# Allegro board ZDRK-36-DE3-A02-20190729.brd (continued)
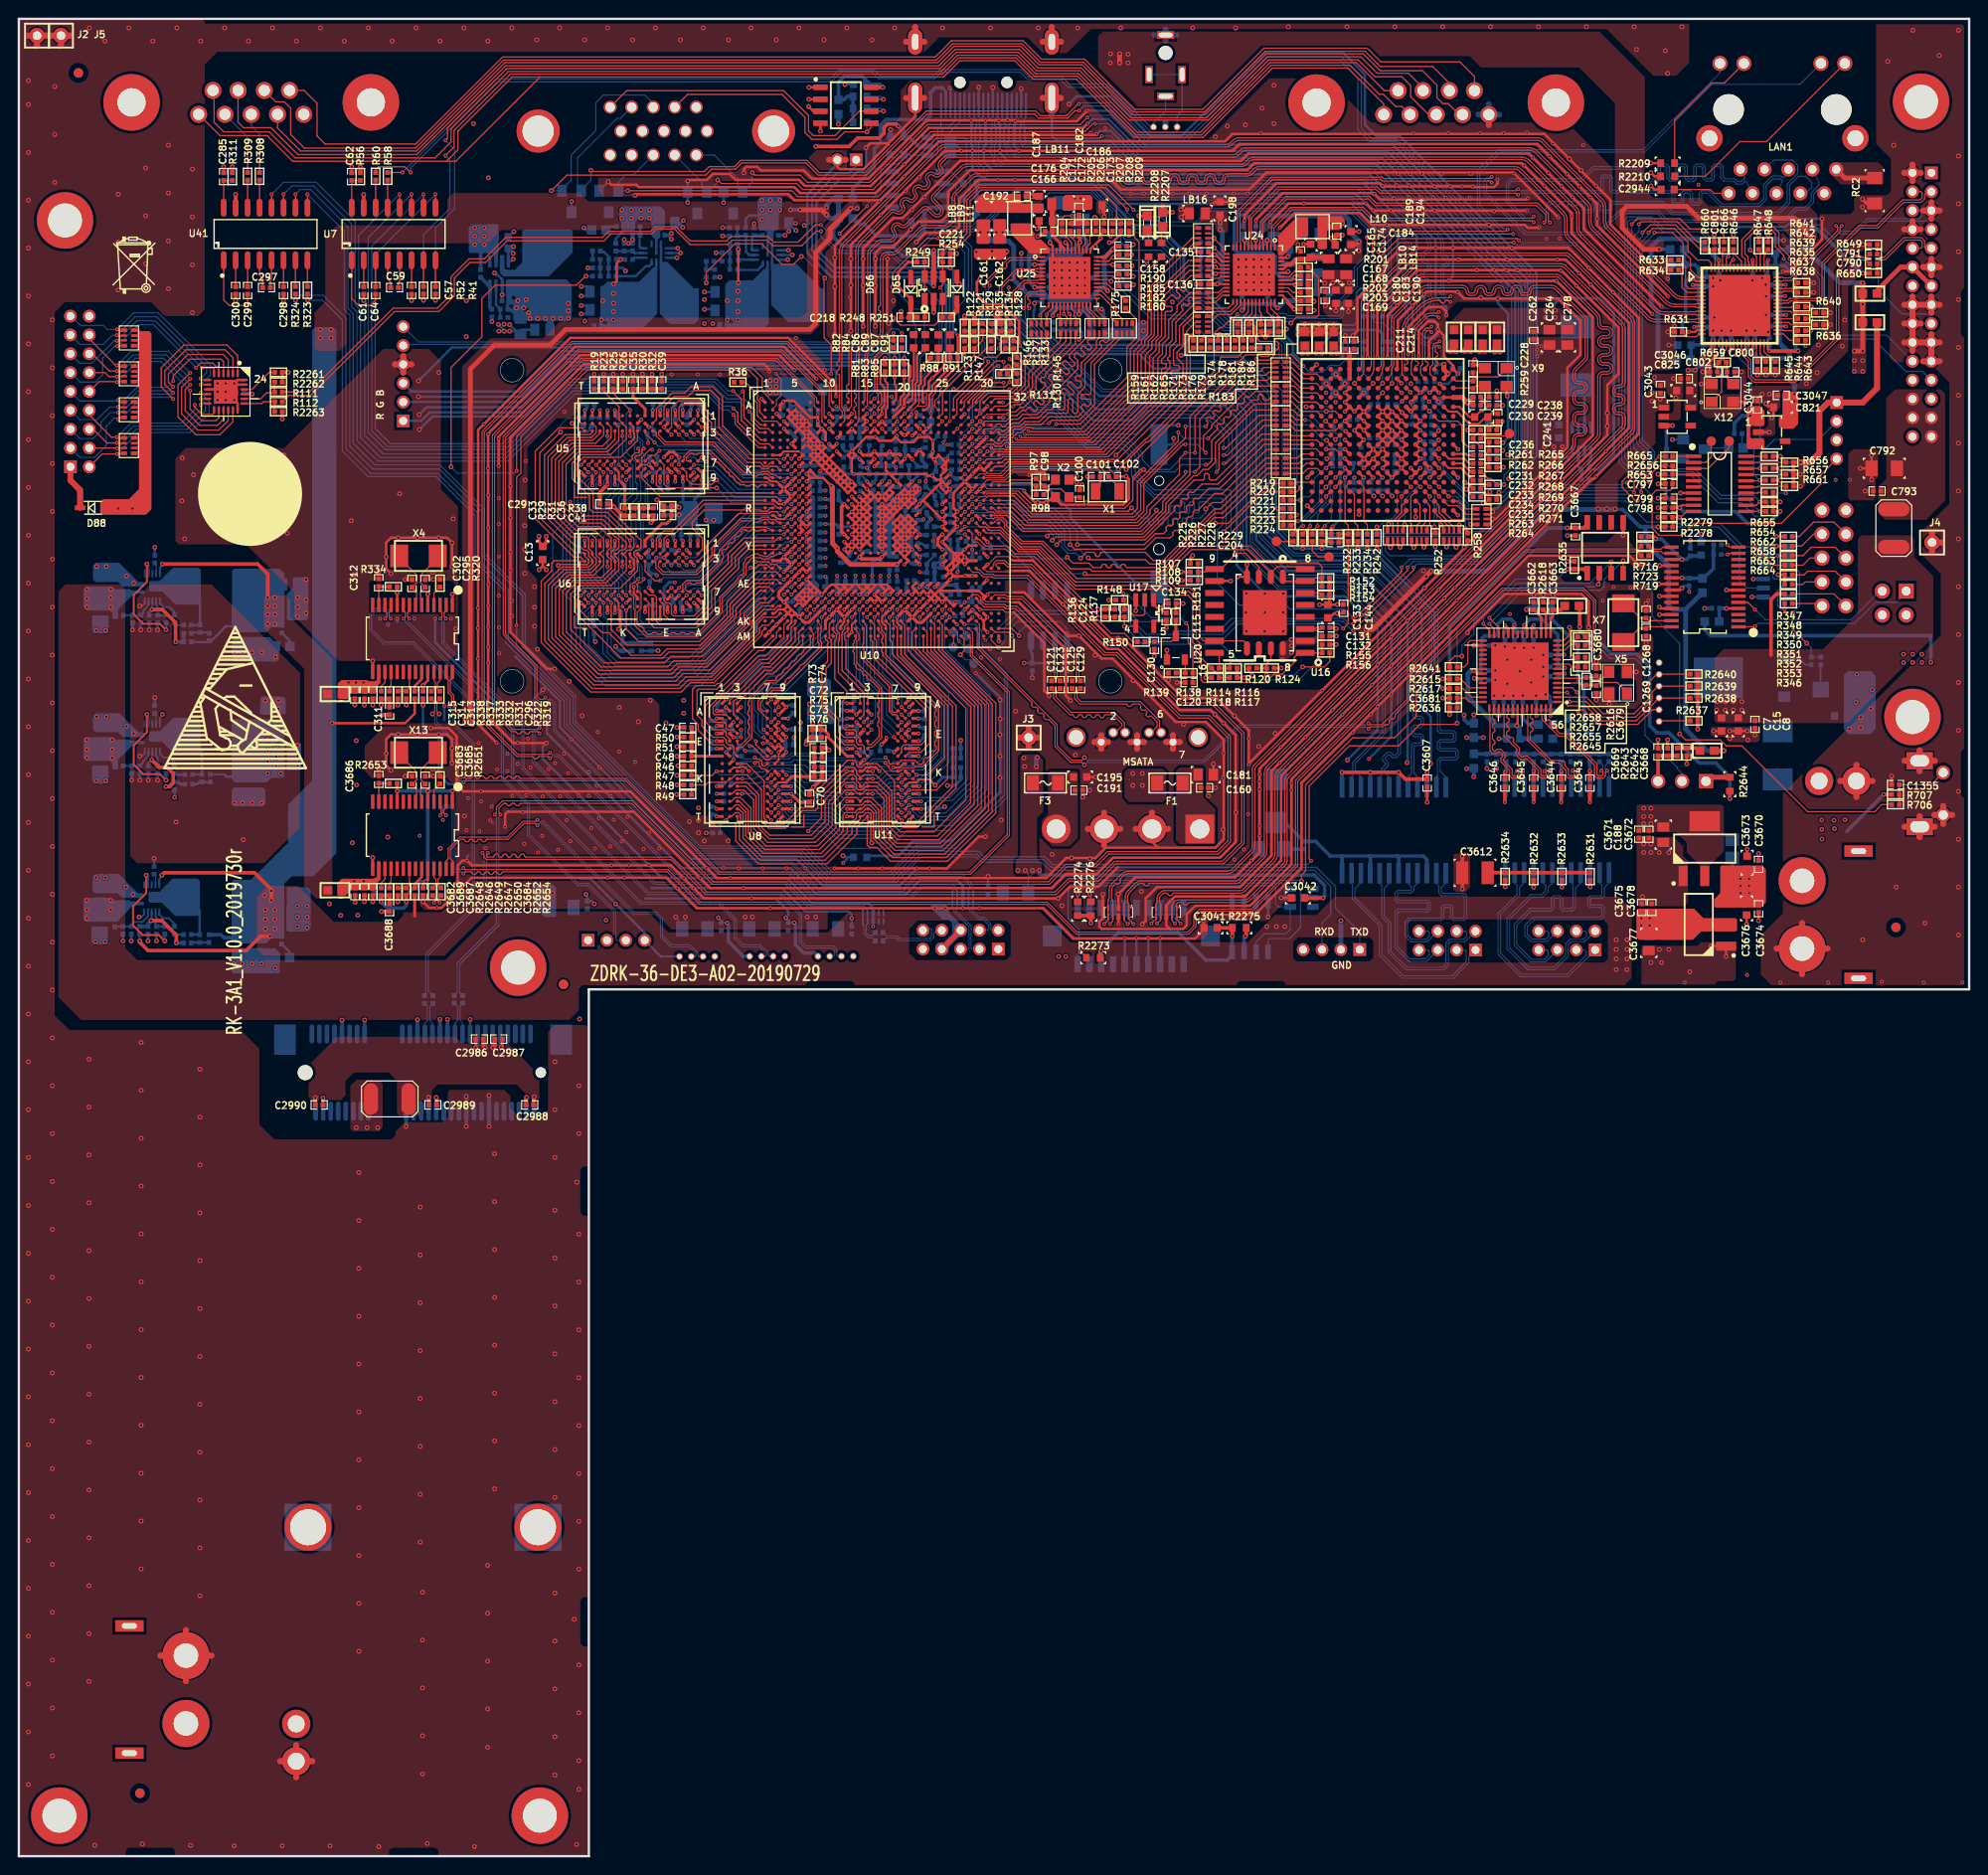
[diagram p0: board, top side]
## Placement (name value [footprint] x y rotation side) (continued)
R2209  499R  [SR0603]  175.01 179.68 0 top
R2210  499R  [SR0603]  175.01 178.28 0 top
R2211  1K  [SR0603]  93.22 180.57 180 bottom
R2212  4.7K  [SR0603]  89.28 184 0 bottom
R2261  10K  [SR0402]  27.56 157.48 180 top
R2262  10K  [SR0402]  27.56 156.44 180 top
R2263  10K  [SR0402]  27.56 153.31 180 top
R2273  1K  [SR0603]  114.05 95.35 180 top
R2274  4.7K  [SR0603]  112.4 100.56 90 top
R2275  4.7K  [SR0603]  129.54 98.53 0 top
R2276  4.7K  [SR0603]  113.79 100.56 90 top
R2277  0R  [SR0402]  141.78 160.32 270 bottom
R2278  4.7K  [SR0402]  175.13 141.07 0 top
R2279  10K  [SR0402]  175.13 142.09 180 top
R2561  510R  [SR0402]  182.5 150.98 0 bottom
R2562  1K  [SR0402]  174.88 148.95 270 bottom
R2563  1M  [SR0402]  19.23 130.28 270 bottom
R2564  0R  [SR0402]  14.43 137.64 90 bottom
R2565  49.9K  [SR0402]  17.91 128.88 180 bottom
R2566  10.7K  [SR0402]  13.84 131.29 270 bottom
R2567  1M  [SR0402]  12.07 131.29 270 bottom
R2568  470K  [SR0402]  10.67 131.67 0 bottom
R2569  4.7R  [SR0402]  16.51 131.29 270 bottom
R2570  100K  [SR0402]  15.62 131.29 90 bottom
R2571  499R  [SR0402]  17.91 129.77 180 bottom
R2572  499R  [SR0402]  27.91 130.23 270 bottom
R2615  0R  [SR0402]  152.27 124.94 0 top
R2616  1M  [SR0402]  166.37 124.69 90 top
R2617  8.06K  [SR0402]  152.27 123.93 180 top
R2618  12K  [SR0402]  161.8 132.69 90 top
R2619  49.9R  [SR0402]  158.88 116.56 90 bottom
R2620  49.9R  [SR0402]  159.77 116.56 90 bottom
R2621  49.9R  [SR0402]  161.8 116.56 90 bottom
R2622  49.9R  [SR0402]  162.69 116.56 90 bottom
R2623  49.9R  [SR0402]  164.72 116.56 90 bottom
R2624  49.9R  [SR0402]  165.74 116.56 90 bottom
R2625  49.9R  [SR0402]  167.77 116.56 90 bottom
R2626  49.9R  [SR0402]  168.78 116.56 90 bottom
R2627  0R  [SR0402]  166.75 116.56 90 bottom
R2628  0R  [SR0402]  163.7 116.56 90 bottom
R2629  0R  [SR0402]  160.78 116.56 90 bottom
R2630  0R  [SR0402]  157.86 116.56 90 bottom
R2631  75R  [SR0402]  166.78 103.96 270 top
R2632  75R  [SR0402]  160.78 103.96 270 top
R2633  75R  [SR0402]  163.78 103.98 270 top
R2634  75R  [SR0402]  157.76 103.98 270 top
R2635  10K  [SR0402]  165.1 137.01 270 top
R2636  10K  [SR0402]  152.27 121.89 180 top
R2637  10K  [SR0402]  177.8 120.5 0 top
R2638  10K  [SR0402]  177.8 122.91 0 top
R2639  10K  [SR0402]  177.8 124.18 0 top
R2640  10K  [SR0402]  177.8 125.45 0 top
R2641  0R/NC  [SR0402]  152.27 126.21 180 top
R2642  39..2K  [SR0402]  176.02 117.2 90 top
R2643  61.9K  [SR0402]  175.01 117.2 270 top
R2644  825R  [SR0603]  181.61 113.77 270 top
R2645  0R  [SR0402]  165.86 126.21 0 top
R2646  100K  [SR0402]  39.34 102.36 90 top
R2647  10K  [SR0402]  41.12 102.36 270 top
R2648  100K  [SR0402]  38.46 102.36 90 top
R2649  47K  [SR0402]  40.23 102.36 270 top
R2650  NC  [SR0402]  42.01 102.36 90 top
R2651  499R  [SR0402]  44.7 114.22 90 top
R2652  0R  [SR0402]  43.92 102.36 90 top
R2653  10K  [SR0402]  39.75 113.84 180 top
R2654  0R  [SR0402]  44.81 102.36 90 top
R2655  NC  [SR0402]  165.86 127.23 0 top
R2656  NC  [SR0402]  175.13 147.55 0 top
R2657  0R  [SR0402]  165.86 128.5 180 top
R2658  0R  [SR0402]  165.86 129.39 180 top
RC2  0R/1206  [SR1206]  196.98 176.76 270 top
RN9  8P4R_0402_4K7  [RPAK8-10X25-28V]  148.63 140.18 180 top
RN10  8P4R_0402_4K7  [RPAK8-10X25-28V]  146.1 140.18 180 top
RN11  8P4R_0402_4K7  [RPAK8-10X25-28V]  155.24 142.16 270 top
RN12  8P4R_0402_4K7  [RPAK8-10X25-28V]  152.07 140.18 180 top
RN13  8P4R_0402_33R  [RPAK8-10X25-28V]  125.7 165.12 270 top
RN14  8P4R_0402_33R  [RPAK8-10X25-28V]  125.68 162.6 270 top
RN17  8P4R_0402_33R  [RPAK8-10X25-28V]  114.43 162.15 0 top
RN18  8P4R_0402_33R  [RPAK8-10X25-28V]  117.36 162.15 0 top
RN19  8P4R_0402_33R  [RPAK8-10X25-28V]  133.93 157.74 90 top
RN20  8P4R_0402_33R  [RPAK8-10X25-28V]  111.39 162.15 0 top
RN21  8P4R_0402_33R  [RPAK8-10X25-28V]  125.7 171.98 270 top
RN22  8P4R_0402_33R  [RPAK8-10X25-28V]  125.7 168.55 270 top
RN75  8P4R_0402_33R  [RPAK8-10X25-28V]  133.93 152.66 90 top
RN76  8P4R_0402_33R  [RPAK8-10X25-28V]  133.96 147.56 90 top
RN77  8P4R_0402_33R  [RPAK8-10X25-28V]  133.93 155.2 90 top
RN78  8P4R_0402_33R  [RPAK8-10X25-28V]  133.96 150.1 90 top
RN79  8P4R_0402_33R  [RPAK8-10X25-28V]  108.28 162.13 0 top
RN80  8P4R_0402_4K7  [RPAK8-10X25-28V]  11.68 153.51 270 top
RN81  8P4R_0402_4K7  [RPAK8-10X25-28V]  11.68 161.13 270 top
RN82  8P4R_0402_4K7  [RPAK8-10X25-28V]  11.68 149.7 270 top
RN83  8P4R_0402_4K7  [RPAK8-10X25-28V]  11.68 157.32 270 top
SW1  SW6X6X4.2_S_90  [SW_90]  202.75 112.76 0 bottom
T1  G2401CE  [STFM24-40-280]  163.27 108.94 0 bottom
T3  G2401CE  [STFM24-40-280]  145.95 108.89 0 bottom
TP2  NC  [TP24-SMD]  102.11 153.26 180 bottom
TP3  NC  [TP24-SMD]  104.47 152.68 180 bottom
TP4  NC  [TP24-SMD]  102.11 152.22 180 bottom
TP5  NC  [TP24-SMD]  103.33 149.1 180 bottom
TP7  NC  [TP24-SMD]  102.03 149.1 180 bottom
TP8  NC  [TP24-SMD]  101.27 132.16 180 bottom
TP9  NC  [TP24-SMD]  101.22 148.29 180 bottom
TP24  NC  [MARK]  139.78 157.3 0 bottom
TP25  NC  [MARK]  142.77 155.35 0 bottom
TP26  NC  [MARK]  149.63 147.19 180 bottom
TP27  NC  [MARK]  138.76 156.31 0 bottom
TP28  NC  [MARK]  158.22 150.98 0 top
TP29  NC  [MARK]  140.74 156.29 180 bottom
TP30  NC  [MARK]  139.67 155.24 0 bottom
TP31  NC  [MARK]  156.06 151.92 180 bottom
TP32  NC  [MARK]  150.77 154.43 180 bottom
TP46  NC  [MARK]  142.77 165.58 180 bottom
TP47  NC  [MARK]  139.06 137.9 180 top
TP48  NC  [MARK]  133.48 139.55 0 top
TP62  NC  [MARK]  101.35 126.59 180 bottom
TP63  NC  [MARK]  100.84 128.12 180 bottom
TP64  NC  [MARK]  99.16 128.32 180 bottom
TP65  NC  [MARK]  99.19 129.9 180 bottom
TP66  NC  [MARK]  100.56 129.51 180 bottom
TP68  NC  [MARK]  179.63 150.16 0 top
TP69  NC  [MARK]  181.53 150.19 0 top
U1  LAN7500  [QFN57C_1H10]  159.33 125.76 180 top
U2  MP8765GQ  [QFN16-8765]  14.17 118.72 0 bottom
U3  MP2143  [TSOT23-8]  50.97 167.97 0 bottom
U4  MP2145  [QFN12-050-0302A]  67.65 170.15 90 bottom
U5  H5TQ4G63FFR-PBC  [BGA96-32-1609M]  66.07 149.66 180 top
U6  H5TQ4G63FFR-PBC  [BGA96-32-1609M]  66.07 135.82 180 top
U7  SP3232EEN  [SOP16]  40.41 171.91 90 top
U8  H5TQ4G63FFR-PBC  [BGA96-32-1609M]  77.86 116.35 270 top
U9  MP2145  [QFN12-050-0302A]  79.46 169.94 90 bottom
U10  HI3536V100_PWR  [BGA735-32-3232]  91.61 141.89 270 top
U11  H5TQ4G63FFR-PBC  [BGA96-32-1609M]  91.7 116.35 270 top
U12  NC  [SO8]  109.35 131.67 270 bottom
U13  MOLEX-MINI-PCIE-CON_H4mm  [MINIPCIE-HT]  42.9 83.16 0 bottom
U16  MX25L25635EMI-10G  [SOP16-50-300A]  131.72 132.16 90 top
U17  SN74LVC1G125Q-Q1  [SOT23-5B]  119.51 131.93 180 top
U18  NC  [WSON8-MX25L12835ZN]  132.26 131.98 180 top
U20  ADM809  [SOT23B]  122.81 128.24 0 top
U24  RTL8211E-VB  [MLF48A-040-0606L]  131.09 167.84 180 top
U25  RTL8211E-VB  [MLF48A-040-0606L]  111.53 167.51 270 top
U27  AT24C04-VGA  [SOP8]  87.78 185.83 0 top
U32  ADV7842KBCZ-5  [BGA256]  144.75 150.32 180 top
U33  AZC199-04S  [SOT23-6L]  97.1 166.47 0 top
U38  MP2143  [TSOT23-8]  165.86 150.34 0 bottom
U41  SP3232EEN  [SOP16]  26.82 171.91 90 top
U43  GL850G-HH  [SOP28]  41.78 129.24 180 top
U44  PL2303HX  [SOP28]  178.97 134.7 90 top
U45  AZC199-04S  [SOT23-6L]  186.56 138.02 90 bottom
U46  SN74LVC1G125Q-Q1  [SOT23-5B]  186.56 134.59 90 bottom
U58  AT24C04-HDMI  [SOP8]  95.38 176.89 0 bottom
U61  BL1117-1.2V  [SOT-223]  178.94 106.93 90 top
U62  RCLAMP0524  [SLP2710P8]  102.62 182.73 180 bottom
U63  RCLAMP0524  [SLP2710P8]  105.66 182.73 180 bottom
U66  LT9721  [LQFN65_0_4]  182.64 164.57 270 top
U75  CLAMP0504DT  [SOT23-6L]  97.66 181.46 270 bottom
U103  CAT9555  [QFN24G]  21.97 155.42 180 top
U105  RCLAMP0524  [SLP2710P8]  100.2 101.7 0 bottom
U106  RCLAMP0524  [SLP2710P8]  90.68 99.67 0 bottom
U107  AT24C04-HDMI  [SOP8]  130.68 98.65 270 bottom
U108  CLAMP0504DT  [SOT23-6L]  136.14 101.7 90 bottom
U109  RCLAMP0524  [SLP2710P8]  121.79 100.18 180 top
U110  RCLAMP0524  [SLP2710P8]  116.71 100.18 180 top
U126  MP8765GQ  [QFN16-8765]  14.1 101.65 0 bottom
U1489  RT9013-18GB  [SOT23-5]  176 152.73 270 top
U1490  RT9013-18GB  [SOT23-5]  186.03 151.08 270 top
U1492  STM8S003F3  [TSSOP20]  180.54 145.64 0 top
U1493  MP8765GQ  [QFN16-8765]  14.17 134.67 0 bottom
U1494  93AA66A-I/SN  [SOP8]  168.38 138.86 90 top
U1495  TLV1117LV25DCYR  [SOT-223]  178.31 98.88 180 top
U1496  GL850G-HH  [SOP28]  41.78 108.36 180 top
X1  CY_3215_32.768K  [HSX2-0302]  115.53 144.86 180 top
X2  CY_3225_24M  [HSX4-0302B]  110.74 145.16 270 top
X4  CY_5032_12M  [5032]  42.42 138 270 top
X5  3225_25M  [XT3225]  169.75 124.54 90 top
X7  12M  [5032]  170.31 130.91 0 top
X9  CY_3225_28.63636M  [XT3225]  156.76 156.97 180 top
X12  25MHZ  [XT3225]  180.83 155.3 0 top
X13  CY_5032_12M  [5032]  42.42 117.12 270 top

## Library data of the parts
BT1 = BAT_SOCK-2032_0
C3 C24 C25 C57 C59 C61 C62 C64 C80 C160 C181 C188 C191 C195 C204 C211 C214 C218 C220-C222 C229-C236 C239 C241 C266 C267 C285 C296-C300 C311-C315 C319-C349 C790-C793 C797-C799 C801 C803-C827 C1319 C1355 C2318 C2378 C2807 C2808 C2879 C2880 C2906 C2907 C2944 C2991 C3029-C3031 C3040-C3047 C3643-C3682 C3684 C3686-C3689 = CAP_NP
C4 C5 C7-C9 C11 C14 C15 C17 C18 C20 C26 C27 C30-C32 C34 C37 C40 C43 C44 C49-C53 C55 C56 C58 C60 C63 C65-C69 C71 C87 C91 C97 C135 C262 C264 C278 C279 C634-C646 C2986-C2990 C3048-C3060 = C_3
C13 C86 C89 C98 C100 C156 C157 C161 C162 C174 C176 C183 C184 C186 C187 C190 C193 C194 C196 C199 C360 C368 C473 C505 = C_3: signal model: DEFAULT_CAPACITOR_1e+07pF_2_1
C29 C70 C137 C139 C140 C143 C148 C152 C158 C171-C173 C192 C350 C361 C373 C374 C381 C382 C387 C395 C398 C443 C444 C481 C489 C494 C496 C500 = C_3: signal model: DEFAULT_CAPACITOR_100000pF_1_2
C33 C35 C41 C353 C358 C359 C365 C367 C386 C396 C397 C401 C405 C412 C418 C425 C428 C432 C438 C445 C446 C449 C450 C458 C459 C461 C471 C490 C492 C501 C503 = C_3: signal model: DEFAULT_CAPACITOR_1e+06pF_1_2
C36 C39 C47 C72 C102 C115 C124 C130 C132 C136 C142 C146 C151 C155 C165 C167-C169 C180 C189 C351 C352 C354 C356 C357 C362 C363 C366 C369 C371 C375 C376 C378 C380 C383 C389 C390 C392-C394 C399 C400 C407-C411 C413 C414 C416 C417 C420-C422 C424 C426 C427 C429-C431 C433-C437 C439-C441 C447 C448 C451-C457 C460 C462 C464 C465 C467-C470 C472 C475 C476 C478-C480 C482 C484 C485 C487 C488 C491 C495 C498 C499 C502 C504 = C_3: signal model: DEFAULT_CAPACITOR_22pF_1_2
C48 C73 C74 C134 C385 C423 = C_3: signal model: DEFAULT_CAPACITOR_4.7e+07pF_2_1
C101 C131 C133 C144 C166 C182 C372 C419 C466 C477 C483 = C_3: signal model: DEFAULT_CAPACITOR_1e+06pF_2_1
C103-C106 C228 C238 C295 C302 C800 C802 C1268 C1269 C3683 C3685 RC2 = C-0603
C120 = C_3: signal model: DEFAULT_CAPACITOR_1000pF_1_2
C121 C123 C125 C129 = CAP_NP: signal model: CAP_NP_SC0402_10NF_10nF
C198 = C_3: signal model: DEFAULT_CAPACITOR_1e+07pF_1_2
C355 C370 C406 C415 C463 = C_3: signal model: DEFAULT_CAPACITOR_2.2e+07pF_2_1
C364 C388 C391 = C_3: signal model: DEFAULT_CAPACITOR_4.7e+06pF_1_2
C377 C379 = C_3: signal model: DEFAULT_CAPACITOR_2.2e+08pF_2_1
C384 = C_1: signal model: DEFAULT_CAPACITOR_22pF_1_2
C442 = C_3: signal model: DEFAULT_CAPACITOR_5.6e+015pF_1_2
C474 C486 = C_3: signal model: DEFAULT_CAPACITOR_470000pF_1_2
C493 C497 = C_3: signal model: DEFAULT_CAPACITOR_100000pF_2_1
C3607 C3608 = C_0
C3612 = 1000pF/-20+80%/2KV/X7R/1808
CN3 = VGAD7M_0
CON1 = SATA-HOST_7P__SMD_0
D2 D104 = DZ3_0
D23-D26 = D2-3_D
D65 D66 D88 = D_A
D71 D87 D89-D91 = LED_1: Tolerance: TOL; User Part Number: PARTNO
DXF J136 = CON6
F1 F3 F8 F11 F22-F25 F39 = FS-A_0
F5 = FS-A
ID1-ID6 = ID-BOARD
J2-J5 = SIP1
J6 = 1x6
J22 J23 = DB9
J49 = DB19S4_1
J70 = HEADER 4
J94 J125 J126 J134 J135 = CON2
J108 = CON10A
J111 = PJ-209
J115 = MJ8-SL_5
J116 = CON4X1X254MM
J123 = CON3X1X254MM
J124 = 4 HEADER
J127 = CONN RCPT 9x2
J128 = CONN PCB 5x2
J130 = CONN PCB 10x2
J131 J133 = CONN PLUG 4x2
JE1 = FPC_Base_1
JP1 = 1x3T: User Part Number: HAMP; Tolerance: #TOL
JU1-JU5 = CON4
L1 L2 L14 L16 L49 = L
L4 L5 = L_E
L10 L11 = L: signal model: DEFAULT_INDUCTOR_2200nH_2_1
LB6-LB11 LB14-LB20 LB22-LB25 LB31-LB52 LB70 LB126-LB130 LB132-LB144 = LB
LED3 = LED0603: Tolerance: TOL; User Part Number: PARTNO
Q2 = PMOS-DPAK
Q20 = SI2302_0
R2 R4 R8 R11 R14 R16 R17 R21 R24 R33 R34 R36 R37 R40 R42-R44 R53-R55 R57 R59 R65-R68 R70 R71 R77 R78 R95 R96 R109 R118 R120 R121 R137 R148 R165 R183 R209 R389 R391 R398 R461-R463 R480-R485 R2563-R2571 = R
R12 R13 R20 R111 R112 R306 R797 = R_1
R19 R23 R25 R26 R46-R49 R138 = R: signal model: DEFAULT_RESISTOR_100OHM_1_2
R27 R28 R41 R52 R56 R58 R60 R88 R91 R158 R160 R229 R248 R249 R251 R254 R261 R263 R266 R269 R304 R305 R308 R309 R311 R320 R323 R324 R346-R353 R393 R394 R631 R633-R650 R653-R658 R661-R666 R706 R707 R716 R718 R719 R722 R723 R1119-R1121 R2207-R2212 R2261-R2263 R2273-R2276 R2278 R2279 R2561 R2562 R2615-R2645 R2651 R2655 = Resistor
R29-R32 R38 R50 R51 R73 R75 R76 R110 R130 R131 R133-R136 R151 R159 R384 R385 R387 R390 R403 R408 R409 R411 = R: signal model: DEFAULT_RESISTOR_1000OHM_1_2
R39 R45 R220-R228 R232-R238 R241-R244 R246 R247 R252 R258 R259 R262 R264 R265 R267 R268 R270 R271 R319 R322 R331-R334 R337 R338 R659 R660 R2277 R2572 R2646-R2650 R2652-R2654 R2656-R2658 = R-0603
R81 R83 R85 R396 = R: signal model: DEFAULT_RESISTOR_75OHM_1_2
R82 R84 R161 R207 = R: signal model: SR0402_22
R97 = R: signal model: DEFAULT_RESISTOR_1e+06OHM_1_2
R98 = R: signal model: DEFAULT_RESISTOR_10OHM_1_2
R107 R116 R122 R124 R152 R171 R178-R182 R184-R186 R190 R208 R370-R379 R383 R388 R392 = R: signal model: SR0402_4.7K
R108 R117 R153-R155 R382 = R: signal model: DEFAULT_RESISTOR_4700OHM_1_2
R113 R127-R129 R162 R386 R407 R414 = R: signal model: DEFAULT_RESISTOR_10000OHM_1_2
R114 = R: signal model: DEFAULT_RESISTOR_33OHM_1_2
R123 R146 R147 = R: signal model: R_SR0402_0R_0R
R139 = R: signal model: DEFAULT_RESISTOR_100000OHM_1_2
R145 R150 R156 R173-R175 R201 R203 R204 R206 = R: signal model: DEFAULT_RESISTOR_0.001OHM_1_2
R176 R219 = R-0603: signal model: R-0603_SR0402_33R_33R
R202 R205 = R: signal model: DEFAULT_RESISTOR_2490OHM_2_1
R380 R381 R401 R402 = R: signal model: DEFAULT_RESISTOR_270OHM_2_1
R395 R400 R404 R406 R412 R413 = R: signal model: DEFAULT_RESISTOR_240OHM_1_2
R397 = R: signal model: DEFAULT_RESISTOR_12000OHM_1_2
R399 = R: signal model: DEFAULT_RESISTOR_3000OHM_1_2
R405 R410 = R: signal model: DEFAULT_RESISTOR_69.8OHM_1_2
RN9-RN12 RN80-RN83 = RESAR_IS_4/SM: Tolerance: TOL; User Part Number: PART#
RN13 RN14 RN17-RN22 RN75-RN79 = RESAR_IS_4/SM: Tolerance: TOL; User Part Number: PART#; signal model: RESAR_IS_4/SM_RPAK8-10X25-28V_1_8P4R_0402_33R
SW1 = MSW4_1
T1 T3 = G2401CE_0
TP2-TP5 TP7-TP9 = TESTPOINT
TP24-TP32 TP46-TP48 TP62-TP66 TP68 TP69 = T POINT A
U1 = LAN7500 QFN56 Customer
U2 U126 U1493 = MP8765_0
U3 U38 = MP1470_1
U4 U9 = MP2145
U5 U6 U8 U11 = MT41J256M16RE-15E-D_0
U7 U41 = MAX3232E
U10 = HI3536V100_PWR_11
U12 = AT88SC0104: User Part Number: *
U13 = MICIPCIE_2: User Part Number: USER**; Tolerance: TOL**
U16 = MX25L25635EMI-12G_1
U17 U46 = SN74LVC1G125Q-Q1_0: signal model: 74LVC1G125DBVR_SOT5
U18 = SPI_NAND_FLASH_8PIN
U20 = ADM809_2
U24 U25 = RTL8211D_0
U27 U58 U107 = 24C08/NC
U32 = ADV7842_0
U33 U45 U75 U108 = AZC199-04S
U43 U1496 = GL850
U44 = PL2303
U61 U1495 = 1117_0
U62 U63 U105 U106 U109 U110 = RCLAMP0524_1
U66 = LT9721_QFN64_R2.0
U103 = CAT9555_0
U1489 U1490 = RT9013
U1492 = STM8S103_TSSOP20: User Part Number: PART#
U1494 = 93AA66A 1.8V-5_0.5V 4K SOIC-8
X1 = X
X2 = X_B
X4 X7 X13 = Crystal4_1
X5 X9 X12 = CRYSTAL_0

## Footprints (pads in the part's own frame, mm; a bottom-side part is the same pattern mirrored in y, then rotated)
5032
  rect 2.4x1.9 smd: 1(0,2.05) 2(0,-2.05)
BGA96-32-1609M
  round 0.356 smd: A1(-6,-3.2) A2(-6,-2.4) A3(-6,-1.6) A7(-6,1.6) A8(-6,2.4) A9(-6,3.2) B1(-5.2,-3.2) B2(-5.2,-2.4) B3(-5.2,-1.6) B7(-5.2,1.6) B8(-5.2,2.4) B9(-5.2,3.2) C1(-4.4,-3.2) C2(-4.4,-2.4) C3(-4.4,-1.6) C7(-4.4,1.6) C8(-4.4,2.4) C9(-4.4,3.2) D1(-3.6,-3.2) D2(-3.6,-2.4) D3(-3.6,-1.6) D7(-3.6,1.6) D8(-3.6,2.4) D9(-3.6,3.2) E1(-2.8,-3.2) E2(-2.8,-2.4) E3(-2.8,-1.6) E7(-2.8,1.6) E8(-2.8,2.4) E9(-2.8,3.2) F1(-2,-3.2) F2(-2,-2.4) F3(-2,-1.6) F7(-2,1.6) F8(-2,2.4) F9(-2,3.2) G1(-1.2,-3.2) G2(-1.2,-2.4) G3(-1.2,-1.6) G7(-1.2,1.6) G8(-1.2,2.4) G9(-1.2,3.2) H1(-0.4,-3.2) H2(-0.4,-2.4) H3(-0.4,-1.6) H7(-0.4,1.6) H8(-0.4,2.4) H9(-0.4,3.2) J1(0.4,-3.2) J2(0.4,-2.4) J3(0.4,-1.6) J7(0.4,1.6) J8(0.4,2.4) J9(0.4,3.2) K1(1.2,-3.2) K2(1.2,-2.4) K3(1.2,-1.6) K7(1.2,1.6) K8(1.2,2.4) K9(1.2,3.2) L1(2,-3.2) L2(2,-2.4) L3(2,-1.6) L7(2,1.6) L8(2,2.4) L9(2,3.2) M1(2.8,-3.2) M2(2.8,-2.4) M3(2.8,-1.6) M7(2.8,1.6) M8(2.8,2.4) M9(2.8,3.2) N1(3.6,-3.2) N2(3.6,-2.4) N3(3.6,-1.6) N7(3.6,1.6) N8(3.6,2.4) N9(3.6,3.2) P1(4.4,-3.2) P2(4.4,-2.4) P3(4.4,-1.6) P7(4.4,1.6) P8(4.4,2.4) P9(4.4,3.2) R1(5.2,-3.2) R2(5.2,-2.4) R3(5.2,-1.6) R7(5.2,1.6) R8(5.2,2.4) R9(5.2,3.2) T1(6,-3.2) T2(6,-2.4) T3(6,-1.6) T7(6,1.6) T8(6,2.4) T9(6,3.2)
BGA256
  round 0.508 smd: A1(7.5,-7.5) A2(6.5,-7.5) A3(5.5,-7.5) A4(4.5,-7.5) A5(3.5,-7.5) A6(2.5,-7.5) A7(1.5,-7.5) A8(0.5,-7.5) A9(-0.5,-7.5) A10(-1.5,-7.5) A11(-2.5,-7.5) A12(-3.5,-7.5) A13(-4.5,-7.5) A14(-5.5,-7.5) A15(-6.5,-7.5) A16(-7.5,-7.5) B1(7.5,-6.5) B2(6.5,-6.5) B3(5.5,-6.5) B4(4.5,-6.5) B5(3.5,-6.5) B6(2.5,-6.5) B7(1.5,-6.5) B8(0.5,-6.5) B9(-0.5,-6.5) B10(-1.5,-6.5) B11(-2.5,-6.5) B12(-3.5,-6.5) B13(-4.5,-6.5) B14(-5.5,-6.5) B15(-6.5,-6.5) B16(-7.5,-6.5) C1(7.5,-5.5) C2(6.5,-5.5) C3(5.5,-5.5) C4(4.5,-5.5) C5(3.5,-5.5) C6(2.5,-5.5) C7(1.5,-5.5) C8(0.5,-5.5) C9(-0.5,-5.5) C10(-1.5,-5.5) C11(-2.5,-5.5) C12(-3.5,-5.5) C13(-4.5,-5.5) C14(-5.5,-5.5) C15(-6.5,-5.5) C16(-7.5,-5.5) D1(7.5,-4.5) D2(6.5,-4.5) D3(5.5,-4.5) D4(4.5,-4.5) D5(3.5,-4.5) D6(2.5,-4.5) D7(1.5,-4.5) D8(0.5,-4.5) D9(-0.5,-4.5) D10(-1.5,-4.5) D11(-2.5,-4.5) D12(-3.5,-4.5) D13(-4.5,-4.5) D14(-5.5,-4.5) D15(-6.5,-4.5) D16(-7.5,-4.5) E1(7.5,-3.5) E2(6.5,-3.5) E3(5.5,-3.5) E4(4.5,-3.5) E5(3.5,-3.5) E6(2.5,-3.5) E7(1.5,-3.5) E8(0.5,-3.5) E9(-0.5,-3.5) E10(-1.5,-3.5) E11(-2.5,-3.5) E12(-3.5,-3.5) E13(-4.5,-3.5) E14(-5.5,-3.5) E15(-6.5,-3.5) E16(-7.5,-3.5) F1(7.5,-2.5) F2(6.5,-2.5) F3(5.5,-2.5) F4(4.5,-2.5) F5(3.5,-2.5) F6(2.5,-2.5) F7(1.5,-2.5) F8(0.5,-2.5) F9(-0.5,-2.5) F10(-1.5,-2.5) F11(-2.5,-2.5) F12(-3.5,-2.5) F13(-4.5,-2.5) F14(-5.5,-2.5) F15(-6.5,-2.5) F16(-7.5,-2.5) G1(7.5,-1.5) G2(6.5,-1.5) G3(5.5,-1.5) G4(4.5,-1.5) G5(3.5,-1.5) G6(2.5,-1.5) G7(1.5,-1.5) G8(0.5,-1.5) G9(-0.5,-1.5) G10(-1.5,-1.5) G11(-2.5,-1.5) G12(-3.5,-1.5) G13(-4.5,-1.5) G14(-5.5,-1.5) G15(-6.5,-1.5) G16(-7.5,-1.5) H1(7.5,-0.5) H2(6.5,-0.5) H3(5.5,-0.5) H4(4.5,-0.5) H5(3.5,-0.5) H6(2.5,-0.5) H7(1.5,-0.5) H8(0.5,-0.5) H9(-0.5,-0.5) H10(-1.5,-0.5) H11(-2.5,-0.5) H12(-3.5,-0.5) H13(-4.5,-0.5) H14(-5.5,-0.5) H15(-6.5,-0.5) H16(-7.5,-0.5) J1(7.5,0.5) J2(6.5,0.5) J3(5.5,0.5) J4(4.5,0.5) J5(3.5,0.5) J6(2.5,0.5) J7(1.5,0.5) J8(0.5,0.5) J9(-0.5,0.5) J10(-1.5,0.5) J11(-2.5,0.5) J12(-3.5,0.5) J13(-4.5,0.5) J14(-5.5,0.5) J15(-6.5,0.5) J16(-7.5,0.5) K1(7.5,1.5) K2(6.5,1.5) K3(5.5,1.5) K4(4.5,1.5) K5(3.5,1.5) K6(2.5,1.5) K7(1.5,1.5) K8(0.5,1.5) K9(-0.5,1.5) K10(-1.5,1.5) K11(-2.5,1.5) K12(-3.5,1.5) K13(-4.5,1.5) K14(-5.5,1.5) K15(-6.5,1.5) K16(-7.5,1.5) L1(7.5,2.5) L2(6.5,2.5) L3(5.5,2.5) L4(4.5,2.5) L5(3.5,2.5) L6(2.5,2.5) L7(1.5,2.5) L8(0.5,2.5) L9(-0.5,2.5) L10(-1.5,2.5) L11(-2.5,2.5) L12(-3.5,2.5) L13(-4.5,2.5) L14(-5.5,2.5) L15(-6.5,2.5) L16(-7.5,2.5) M1(7.5,3.5) M2(6.5,3.5) M3(5.5,3.5) M4(4.5,3.5) M5(3.5,3.5) M6(2.5,3.5) M7(1.5,3.5) M8(0.5,3.5) M9(-0.5,3.5) M10(-1.5,3.5) M11(-2.5,3.5) M12(-3.5,3.5) M13(-4.5,3.5) M14(-5.5,3.5) M15(-6.5,3.5) M16(-7.5,3.5) N1(7.5,4.5) N2(6.5,4.5) N3(5.5,4.5) N4(4.5,4.5) N5(3.5,4.5) N6(2.5,4.5) N7(1.5,4.5) N8(0.5,4.5) N9(-0.5,4.5) N10(-1.5,4.5) N11(-2.5,4.5) N12(-3.5,4.5) N13(-4.5,4.5) N14(-5.5,4.5) N15(-6.5,4.5) N16(-7.5,4.5) P1(7.5,5.5) P2(6.5,5.5) P3(5.5,5.5) P4(4.5,5.5) P5(3.5,5.5) P6(2.5,5.5) P7(1.5,5.5) P8(0.5,5.5) P9(-0.5,5.5) P10(-1.5,5.5) P11(-2.5,5.5) P12(-3.5,5.5) P13(-4.5,5.5) P14(-5.5,5.5) P15(-6.5,5.5) P16(-7.5,5.5) R1(7.5,6.5) R2(6.5,6.5) R3(5.5,6.5) R4(4.5,6.5) R5(3.5,6.5) R6(2.5,6.5) R7(1.5,6.5) R8(0.5,6.5) R9(-0.5,6.5) R10(-1.5,6.5) R11(-2.5,6.5) R12(-3.5,6.5) R13(-4.5,6.5) R14(-5.5,6.5) R15(-6.5,6.5) R16(-7.5,6.5) T1(7.5,7.5) T2(6.5,7.5) T3(5.5,7.5) T4(4.5,7.5) T5(3.5,7.5) T6(2.5,7.5) T7(1.5,7.5) T8(0.5,7.5) T9(-0.5,7.5) T10(-1.5,7.5) T11(-2.5,7.5) T12(-3.5,7.5) T13(-4.5,7.5) T14(-5.5,7.5) T15(-6.5,7.5) T16(-7.5,7.5)
BGA735-32-3232
  round 0.356 smd: A1(-12.4,-12.4) A2(-12.4,-11.6) A7(-12.4,-7.6) A8(-12.4,-6.8) A10(-12.4,-5.2) A12(-12.4,-3.6) A14(-12.4,-2) A15(-12.4,-1.2) A16(-12.4,-0.4) A18(-12.4,1.2) A20(-12.4,2.8) A22(-12.4,4.4) A24(-12.4,6) A25(-12.4,6.8) A27(-12.4,8.4) A28(-12.4,9.2) A29(-12.4,10) A30(-12.4,10.8) A31(-12.4,11.6) A32(-12.4,12.4) AA1(3.6,-12.4) AA2(3.6,-11.6) AA3(3.6,-10.8) AA4(3.6,-10) AA5(3.6,-9.2) AA6(3.6,-8.4) AA7(3.6,-7.6) AA12(3.6,-3.6) AA13(3.6,-2.8) AA14(3.6,-2) AA15(3.6,-1.2) AA16(3.6,-0.4) AA17(3.6,0.4) AA18(3.6,1.2) AA19(3.6,2) AA20(3.6,2.8) AA21(3.6,3.6) AA25(3.6,6.8) AA26(3.6,7.6) AA28(3.6,9.2) AA29(3.6,10) AA30(3.6,10.8) AA31(3.6,11.6) AA32(3.6,12.4) AB2(4.4,-11.6) AB3(4.4,-10.8) AB4(4.4,-10) AB5(4.4,-9.2) AB6(4.4,-8.4) AB7(4.4,-7.6) AB19(4.4,2) AB20(4.4,2.8) AB21(4.4,3.6) AB25(4.4,6.8) AB26(4.4,7.6) AB28(4.4,9.2) AB29(4.4,10) AC1(5.2,-12.4) AC2(5.2,-11.6) AC3(5.2,-10.8) AC4(5.2,-10) AC5(5.2,-9.2) AC6(5.2,-8.4) AC7(5.2,-7.6) AC25(5.2,6.8) AC28(5.2,9.2) AC29(5.2,10) AC30(5.2,10.8) AC31(5.2,11.6) AC32(5.2,12.4) AD1(6,-12.4) AD2(6,-11.6) AD3(6,-10.8) AD4(6,-10) AD5(6,-9.2) AD6(6,-8.4) AD7(6,-7.6) AD25(6,6.8) AD28(6,9.2) AD29(6,10) AE2(6.8,-11.6) AE3(6.8,-10.8) AE4(6.8,-10) AE5(6.8,-9.2) AE6(6.8,-8.4) AE7(6.8,-7.6) AE20(6.8,2.8) AE21(6.8,3.6) AE22(6.8,4.4) AE23(6.8,5.2) AE24(6.8,6) AE25(6.8,6.8) AE28(6.8,9.2) AE29(6.8,10) AE30(6.8,10.8) AE31(6.8,11.6) AE32(6.8,12.4) AF1(7.6,-12.4) AF2(7.6,-11.6) AF3(7.6,-10.8) AF4(7.6,-10) AF5(7.6,-9.2) AF6(7.6,-8.4) AF7(7.6,-7.6) AF8(7.6,-6.8) AF9(7.6,-6) AF10(7.6,-5.2) AF11(7.6,-4.4) AF12(7.6,-3.6) AF13(7.6,-2.8) AF14(7.6,-2) AF15(7.6,-1.2) AF16(7.6,-0.4) AF17(7.6,0.4) AF18(7.6,1.2) AF19(7.6,2) AF20(7.6,2.8) AF21(7.6,3.6) AF22(7.6,4.4) AF23(7.6,5.2) AF24(7.6,6) AF28(7.6,9.2) AF29(7.6,10) AG1(8.4,-12.4) AG2(8.4,-11.6) AG3(8.4,-10.8) AG4(8.4,-10) AG5(8.4,-9.2) AG6(8.4,-8.4) AG7(8.4,-7.6) AG8(8.4,-6.8) AG9(8.4,-6) AG10(8.4,-5.2) AG11(8.4,-4.4) AG12(8.4,-3.6) AG13(8.4,-2.8) AG14(8.4,-2) AG15(8.4,-1.2) AG16(8.4,-0.4) AG17(8.4,0.4) AG18(8.4,1.2) AG19(8.4,2) AG20(8.4,2.8) AG21(8.4,3.6) AG22(8.4,4.4) AG23(8.4,5.2) AG24(8.4,6) AG25(8.4,6.8) AG28(8.4,9.2) AG29(8.4,10) AG30(8.4,10.8) AG31(8.4,11.6) AG32(8.4,12.4) AH2(9.2,-11.6) AH3(9.2,-10.8) AH4(9.2,-10) AH5(9.2,-9.2) AH6(9.2,-8.4) AH7(9.2,-7.6) AH8(9.2,-6.8) AH9(9.2,-6) AH10(9.2,-5.2) AH11(9.2,-4.4) AH12(9.2,-3.6) AH13(9.2,-2.8) AH14(9.2,-2) AH15(9.2,-1.2) AH16(9.2,-0.4) AH17(9.2,0.4) AH18(9.2,1.2) AH19(9.2,2) AH20(9.2,2.8) AH21(9.2,3.6) AH22(9.2,4.4) AH23(9.2,5.2) AH24(9.2,6) AH25(9.2,6.8) AH26(9.2,7.6) AH27(9.2,8.4) AH28(9.2,9.2) AH29(9.2,10) AJ1(10,-12.4) AJ2(10,-11.6) AJ3(10,-10.8) AJ4(10,-10) AJ5(10,-9.2) AJ6(10,-8.4) AJ7(10,-7.6) AJ8(10,-6.8) AJ9(10,-6) AJ10(10,-5.2) AJ11(10,-4.4) AJ12(10,-3.6) AJ13(10,-2.8) AJ14(10,-2) AJ15(10,-1.2) AJ16(10,-0.4) AJ17(10,0.4) AJ18(10,1.2) AJ19(10,2) AJ20(10,2.8) AJ21(10,3.6) AJ22(10,4.4) AJ23(10,5.2) AJ24(10,6) AJ25(10,6.8) AJ26(10,7.6) AJ27(10,8.4) AJ28(10,9.2) AJ29(10,10) AJ30(10,10.8) AJ31(10,11.6) AJ32(10,12.4) AK1(10.8,-12.4) AK2(10.8,-11.6) AK3(10.8,-10.8) AK4(10.8,-10) AK5(10.8,-9.2) AK6(10.8,-8.4) AK7(10.8,-7.6) AK8(10.8,-6.8) AK9(10.8,-6) AK10(10.8,-5.2) AK11(10.8,-4.4) AK12(10.8,-3.6) AK13(10.8,-2.8) AK14(10.8,-2) AK15(10.8,-1.2) AK16(10.8,-0.4) AK17(10.8,0.4) AK18(10.8,1.2) AK19(10.8,2) AK20(10.8,2.8) AK21(10.8,3.6) AK22(10.8,4.4) AK23(10.8,5.2) AK24(10.8,6) AK25(10.8,6.8) AK26(10.8,7.6) AK27(10.8,8.4) AK28(10.8,9.2) AK29(10.8,10) AK30(10.8,10.8) AK31(10.8,11.6) AK32(10.8,12.4) AL1(11.6,-12.4) AL2(11.6,-11.6) AL3(11.6,-10.8) AL4(11.6,-10) AL5(11.6,-9.2) AL6(11.6,-8.4) AL7(11.6,-7.6) AL8(11.6,-6.8) AL9(11.6,-6) AL10(11.6,-5.2) AL11(11.6,-4.4) AL12(11.6,-3.6) AL13(11.6,-2.8) AL14(11.6,-2) AL15(11.6,-1.2) AL16(11.6,-0.4) AL17(11.6,0.4) AL18(11.6,1.2) AL19(11.6,2) AL20(11.6,2.8) AL21(11.6,3.6) AL22(11.6,4.4) AL23(11.6,5.2) AL24(11.6,6) AL25(11.6,6.8) AL26(11.6,7.6) AL27(11.6,8.4) AL28(11.6,9.2) AL29(11.6,10) AL30(11.6,10.8) AL31(11.6,11.6) AL32(11.6,12.4) AM1(12.4,-12.4) AM2(12.4,-11.6) AM3(12.4,-10.8) AM4(12.4,-10) AM6(12.4,-8.4) AM7(12.4,-7.6) AM9(12.4,-6) AM10(12.4,-5.2) AM12(12.4,-3.6) AM13(12.4,-2.8) AM15(12.4,-1.2) AM16(12.4,-0.4) AM18(12.4,1.2) AM19(12.4,2) AM21(12.4,3.6) AM22(12.4,4.4) AM24(12.4,6) AM25(12.4,6.8) AM26(12.4,7.6) AM27(12.4,8.4) AM28(12.4,9.2) AM30(12.4,10.8) AM31(12.4,11.6) AM32(12.4,12.4) B1(-11.6,-12.4) B2(-11.6,-11.6) B3(-11.6,-10.8) B4(-11.6,-10) B5(-11.6,-9.2) B6(-11.6,-8.4) B7(-11.6,-7.6) B8(-11.6,-6.8) B10(-11.6,-5.2) B12(-11.6,-3.6) B14(-11.6,-2) B15(-11.6,-1.2) B16(-11.6,-0.4) B18(-11.6,1.2) B20(-11.6,2.8) B22(-11.6,4.4) B24(-11.6,6) B25(-11.6,6.8) B26(-11.6,7.6) B27(-11.6,8.4) B28(-11.6,9.2) B29(-11.6,10) B30(-11.6,10.8) B31(-11.6,11.6) B32(-11.6,12.4) C1(-10.8,-12.4) C2(-10.8,-11.6) C3(-10.8,-10.8) C4(-10.8,-10) C5(-10.8,-9.2) C6(-10.8,-8.4) C7(-10.8,-7.6) C8(-10.8,-6.8) C9(-10.8,-6) C10(-10.8,-5.2) C11(-10.8,-4.4) C12(-10.8,-3.6) C13(-10.8,-2.8) C14(-10.8,-2) C15(-10.8,-1.2) C16(-10.8,-0.4) C17(-10.8,0.4) C18(-10.8,1.2) C19(-10.8,2) C20(-10.8,2.8) C21(-10.8,3.6) C22(-10.8,4.4) C23(-10.8,5.2) C24(-10.8,6) C25(-10.8,6.8) C26(-10.8,7.6) C27(-10.8,8.4) C28(-10.8,9.2) C29(-10.8,10) C30(-10.8,10.8) C31(-10.8,11.6) C32(-10.8,12.4) D1(-10,-12.4) D2(-10,-11.6) D3(-10,-10.8) D4(-10,-10) D5(-10,-9.2) D6(-10,-8.4) D7(-10,-7.6) D8(-10,-6.8) D9(-10,-6) D10(-10,-5.2) D11(-10,-4.4) D12(-10,-3.6) D13(-10,-2.8) D14(-10,-2) D15(-10,-1.2) D16(-10,-0.4) D17(-10,0.4) D18(-10,1.2) D19(-10,2) D20(-10,2.8) D21(-10,3.6) D22(-10,4.4) D23(-10,5.2) D24(-10,6) D25(-10,6.8) D27(-10,8.4) D28(-10,9.2) D29(-10,10) D30(-10,10.8) D31(-10,11.6) E1(-9.2,-12.4) E2(-9.2,-11.6) E3(-9.2,-10.8) E4(-9.2,-10) E5(-9.2,-9.2) E6(-9.2,-8.4) E7(-9.2,-7.6) E8(-9.2,-6.8) E9(-9.2,-6) E10(-9.2,-5.2) E11(-9.2,-4.4) E12(-9.2,-3.6) E13(-9.2,-2.8) E14(-9.2,-2) E15(-9.2,-1.2) E16(-9.2,-0.4) E17(-9.2,0.4) E18(-9.2,1.2) E19(-9.2,2) E20(-9.2,2.8) E21(-9.2,3.6) E22(-9.2,4.4) E23(-9.2,5.2) E24(-9.2,6) E25(-9.2,6.8) E26(-9.2,7.6) E27(-9.2,8.4) E28(-9.2,9.2) E29(-9.2,10) E30(-9.2,10.8) E31(-9.2,11.6) E32(-9.2,12.4) F1(-8.4,-12.4) F2(-8.4,-11.6) F3(-8.4,-10.8) F4(-8.4,-10) F5(-8.4,-9.2) F6(-8.4,-8.4) F7(-8.4,-7.6) F8(-8.4,-6.8) F9(-8.4,-6) F27(-8.4,8.4) F28(-8.4,9.2) F29(-8.4,10) F30(-8.4,10.8) F31(-8.4,11.6) F32(-8.4,12.4) G1(-7.6,-12.4) G2(-7.6,-11.6) G3(-7.6,-10.8) G4(-7.6,-10) G5(-7.6,-9.2) G6(-7.6,-8.4) G7(-7.6,-7.6) G8(-7.6,-6.8) G9(-7.6,-6) G10(-7.6,-5.2) G27(-7.6,8.4) G28(-7.6,9.2) G29(-7.6,10) G30(-7.6,10.8) G31(-7.6,11.6) H1(-6.8,-12.4) H2(-6.8,-11.6) H3(-6.8,-10.8) H4(-6.8,-10) H5(-6.8,-9.2) H6(-6.8,-8.4) H7(-6.8,-7.6) H8(-6.8,-6.8) H9(-6.8,-6) H10(-6.8,-5.2) H11(-6.8,-4.4) H12(-6.8,-3.6) H13(-6.8,-2.8) H14(-6.8,-2) H15(-6.8,-1.2) H16(-6.8,-0.4) H17(-6.8,0.4) H18(-6.8,1.2) H19(-6.8,2) H20(-6.8,2.8) H21(-6.8,3.6) H22(-6.8,4.4) H23(-6.8,5.2) H24(-6.8,6) H27(-6.8,8.4) H28(-6.8,9.2) H29(-6.8,10) H30(-6.8,10.8) H31(-6.8,11.6) H32(-6.8,12.4) J1(-6,-12.4) J2(-6,-11.6) J3(-6,-10.8) J4(-6,-10) J5(-6,-9.2) J6(-6,-8.4) J7(-6,-7.6) J14(-6,-2) J15(-6,-1.2) J16(-6,-0.4) J17(-6,0.4) J18(-6,1.2) J19(-6,2) J25(-6,6.8) J27(-6,8.4) J28(-6,9.2) J29(-6,10) J30(-6,10.8) J31(-6,11.6) J32(-6,12.4) K2(-5.2,-11.6) K3(-5.2,-10.8) K4(-5.2,-10) K5(-5.2,-9.2) K6(-5.2,-8.4) K7(-5.2,-7.6) K25(-5.2,6.8) K27(-5.2,8.4) K28(-5.2,9.2) K29(-5.2,10) K30(-5.2,10.8) K31(-5.2,11.6) L1(-4.4,-12.4) L2(-4.4,-11.6) L3(-4.4,-10.8) L4(-4.4,-10) L5(-4.4,-9.2) L6(-4.4,-8.4) L7(-4.4,-7.6) L25(-4.4,6.8) L27(-4.4,8.4) L28(-4.4,9.2) L29(-4.4,10) L30(-4.4,10.8) M1(-3.6,-12.4) M2(-3.6,-11.6) M3(-3.6,-10.8) M4(-3.6,-10) M5(-3.6,-9.2) M6(-3.6,-8.4) M7(-3.6,-7.6) M12(-3.6,-3.6) M13(-3.6,-2.8) M14(-3.6,-2) M15(-3.6,-1.2) M16(-3.6,-0.4) M17(-3.6,0.4) M18(-3.6,1.2) M19(-3.6,2) M20(-3.6,2.8) M21(-3.6,3.6) M25(-3.6,6.8) M27(-3.6,8.4) M28(-3.6,9.2) M29(-3.6,10) M30(-3.6,10.8) M31(-3.6,11.6) M32(-3.6,12.4) N2(-2.8,-11.6) N3(-2.8,-10.8) N4(-2.8,-10) N5(-2.8,-9.2) N6(-2.8,-8.4) N7(-2.8,-7.6) N12(-2.8,-3.6) N13(-2.8,-2.8) N14(-2.8,-2) N15(-2.8,-1.2) N16(-2.8,-0.4) N17(-2.8,0.4) N18(-2.8,1.2) N19(-2.8,2) N20(-2.8,2.8) N21(-2.8,3.6) N25(-2.8,6.8) N27(-2.8,8.4) N28(-2.8,9.2) N29(-2.8,10) N30(-2.8,10.8) P1(-2,-12.4) P2(-2,-11.6) P3(-2,-10.8) P4(-2,-10) P5(-2,-9.2) P6(-2,-8.4) P7(-2,-7.6) P12(-2,-3.6) P13(-2,-2.8) P14(-2,-2) P15(-2,-1.2) P16(-2,-0.4) P17(-2,0.4) P18(-2,1.2) P19(-2,2) P20(-2,2.8) P21(-2,3.6) P25(-2,6.8) P26(-2,7.6) P27(-2,8.4) P28(-2,9.2) P29(-2,10) P30(-2,10.8) P31(-2,11.6) P32(-2,12.4) R1(-1.2,-12.4) R2(-1.2,-11.6) R3(-1.2,-10.8) R4(-1.2,-10) R5(-1.2,-9.2) R6(-1.2,-8.4) R7(-1.2,-7.6) R12(-1.2,-3.6) R13(-1.2,-2.8) R14(-1.2,-2) R15(-1.2,-1.2) R16(-1.2,-0.4) R17(-1.2,0.4) R18(-1.2,1.2) R19(-1.2,2) R20(-1.2,2.8) R21(-1.2,3.6) R25(-1.2,6.8) R26(-1.2,7.6) R27(-1.2,8.4) R28(-1.2,9.2) R29(-1.2,10) R30(-1.2,10.8) R31(-1.2,11.6) R32(-1.2,12.4) T2(-0.4,-11.6) T3(-0.4,-10.8) T4(-0.4,-10) T5(-0.4,-9.2) T6(-0.4,-8.4) T7(-0.4,-7.6) T12(-0.4,-3.6) T13(-0.4,-2.8) T14(-0.4,-2) T15(-0.4,-1.2) T16(-0.4,-0.4) T17(-0.4,0.4) T18(-0.4,1.2) T19(-0.4,2) T20(-0.4,2.8) T21(-0.4,3.6) T25(-0.4,6.8) T26(-0.4,7.6) T27(-0.4,8.4) T28(-0.4,9.2) T29(-0.4,10) T30(-0.4,10.8) T31(-0.4,11.6) U1(0.4,-12.4) U2(0.4,-11.6) U3(0.4,-10.8) U4(0.4,-10) U5(0.4,-9.2) U6(0.4,-8.4) U7(0.4,-7.6) U12(0.4,-3.6) U13(0.4,-2.8) U14(0.4,-2) U15(0.4,-1.2) U16(0.4,-0.4) U17(0.4,0.4) U18(0.4,1.2) U19(0.4,2) U20(0.4,2.8) U21(0.4,3.6) U25(0.4,6.8) U26(0.4,7.6) U27(0.4,8.4) U28(0.4,9.2) U29(0.4,10) U30(0.4,10.8) U31(0.4,11.6) U32(0.4,12.4) V1(1.2,-12.4) V2(1.2,-11.6) V3(1.2,-10.8) V4(1.2,-10) V5(1.2,-9.2) V6(1.2,-8.4) V7(1.2,-7.6) V12(1.2,-3.6) V13(1.2,-2.8) V14(1.2,-2) V15(1.2,-1.2) V16(1.2,-0.4) V17(1.2,0.4) V18(1.2,1.2) V19(1.2,2) V20(1.2,2.8) V21(1.2,3.6) V25(1.2,6.8) V26(1.2,7.6) V27(1.2,8.4) V28(1.2,9.2) V29(1.2,10) V30(1.2,10.8) W2(2,-11.6) W3(2,-10.8) W4(2,-10) W5(2,-9.2) W6(2,-8.4) W7(2,-7.6) W12(2,-3.6) W13(2,-2.8) W14(2,-2) W15(2,-1.2) W16(2,-0.4) W17(2,0.4) W18(2,1.2) W19(2,2) W20(2,2.8) W21(2,3.6) W24(2,6) W25(2,6.8) W27(2,8.4) W28(2,9.2) W29(2,10) W30(2,10.8) W31(2,11.6) W32(2,12.4) Y1(2.8,-12.4) Y2(2.8,-11.6) Y3(2.8,-10.8) Y4(2.8,-10) Y5(2.8,-9.2) Y6(2.8,-8.4) Y7(2.8,-7.6) Y12(2.8,-3.6) Y13(2.8,-2.8) Y14(2.8,-2) Y15(2.8,-1.2) Y16(2.8,-0.4) Y17(2.8,0.4) Y18(2.8,1.2) Y19(2.8,2) Y20(2.8,2.8) Y21(2.8,3.6) Y24(2.8,6) Y25(2.8,6.8) Y28(2.8,9.2) Y29(2.8,10)